# Altium PCB AMT5000-24.PcbDoc (continued)
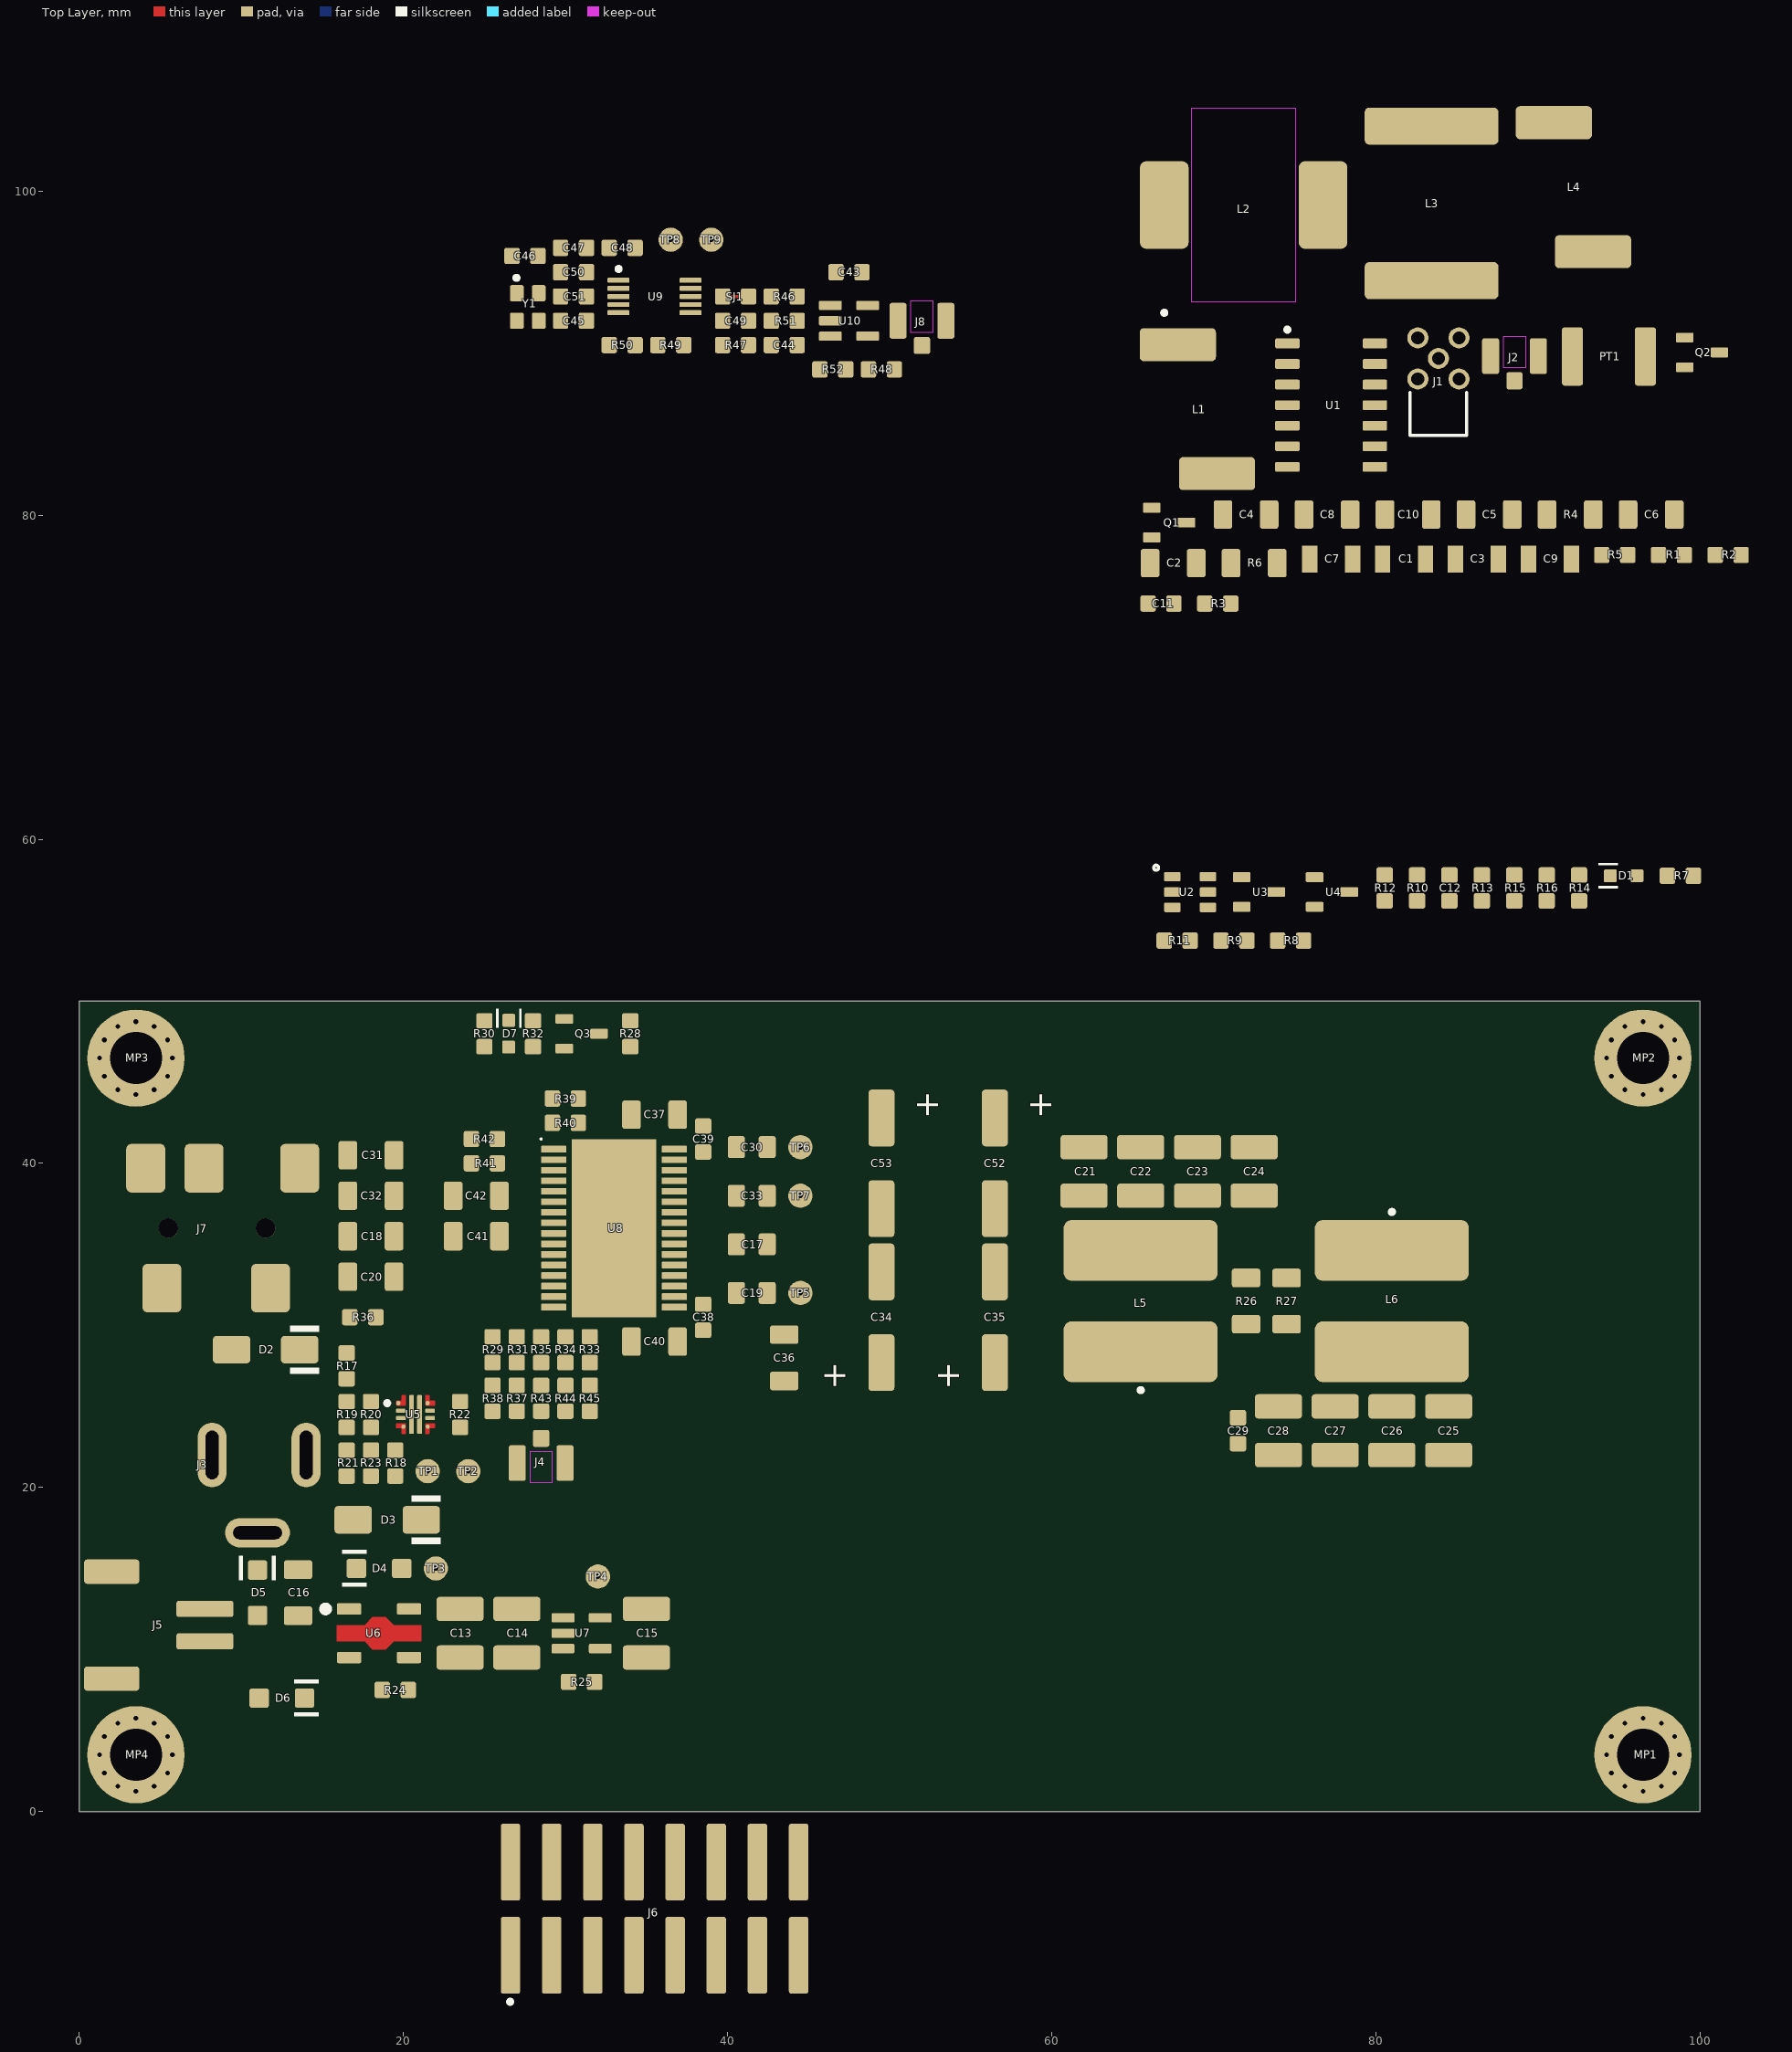
[diagram p0: Top Layer view]
## Part data (continued)
D1 D7: library part CMP-002-001080-9, "WL-SMCW Mono-color Chip LED Waterclear, size 0603, Red, 2V, 60°", Case/Size Code=0603, Emitting Color=Red, Forward Voltage=2V, JLCPCB Part #=C5875741, Manufacturer="Wurth Elektronik", Operating Temperature Max=85°C, Operating Temperature Min=-40°C, Category="Signal LEDs", Chip Technology=AlInGaP, Component Type=Standard, ComponentLink1Description="Website Link", ComponentLink1URL=https://www.we-online.com/redexpert/article/150060RS86000?ad, ComponentLink2Description="Datasheet Link", ComponentLink2URL=https://www.we-online.com/redexpert/spec/150060RS86000?ad, Design Item ID=150060RS86000, Dominant Wavelength=624nm, Height=0.95mm, Length=1.6mm, Luminous Intensity=800mcd, Manufacturer Part Number=150060RS86000, Match Code=WL-SMCW, Mount="Surface Mount", Packaging="Tape and Reel", Peak Wavelength=632nm, Pin Count=2, Source=WL-SMCW.SchLib, Viewing Angle=60°, Width=0.8mm
D2 D3: library part CMP-104-000003-3, "SMAJ Series 19.9 V 0.4 kW Surface Mount Uni-Directional TVS Diode - DO-214AC", (Reverse) Breakdown Voltage=14V, (Reverse) Peak Pulse Current=20.1A, Case/Size Code=DO-214AC, Clamping Voltage=19.9V, JLCPCB Part #=C726741, Manufacturer="Wurth Elektronik", Manufacturer Part Number=824500121, Operating Temperature Max=150°C, Operating Temperature Min=-65°C, Operating Voltage (DC)=12V, Power Dissipation=400W, Category="Surge Protection", Component Type=Standard, ComponentLink1Description="Website Link", ComponentLink1URL=https://www.we-online.com/redexpert/article/824500121?ad, ComponentLink2Description="Datasheet Link", ComponentLink2URL=https://www.we-online.com/redexpert/spec/824500121?ad, Design Item ID=824500121, Height=2.087mm, Length=4.5mm, Match Code=WE-TVSP, Mount="Surface Mount", Packaging="Tape and Reel", Pin Count=2, Polarity=Unidirectional, Source=WE-TVSP.SchLib, Width=2.79mm
D4 D5 D6: library part CMP-004-00046-7, "Diode Schottky 100V 2A 2-Pin SOD-123F T/R", Average Rectified Current=2A, Case/Package=SOD-123F, Forward Voltage="830 mV @ 2 A", JLCPCB Part #=C456130, Max Reverse Voltage (DC)=100V, Forward Current=2A, Mounting Technology="Surface Mount", Packaging="Tape and Reel", Page Part #=?, RoHS Compliant=Yes, Series=-
J1: library part CMP-002-000609-5, "WR-MMCX PCB Jack, THT, Right Angle, 6GHz, 50O", Frequency Range=6GHz, JLCPCB Part #=C2894793, Manufacturer="Wurth Elektronik", Operating Temperature Max=155°C, Operating Temperature Min=-55°C, Category="Coaxial Connectors", Center Contact Diameter=0.7mm, Component Type=Standard, ComponentLink1Description="Website Link", ComponentLink1URL=https://www.we-online.com/redexpert/article/66011002111501?ad, ComponentLink2Description="Datasheet Link", ComponentLink2URL=https://www.we-online.com/redexpert/spec/66011002111501?ad, Connector Type=MMCX, Design Item ID=66011002111501, Gender=Jack, Height=3.8mm, Impedance=50O, Interface Type="IEC 61169-52", Length=6.5mm, Manufacturer Part Number=66011002111501, Match Code=WR-MMCX, Mount="Through Hole", Orientation="Right Angle", Packaging=Tray, Pin Count=5, Source=WR-MMCX.SchLib, Width=3.5mm
J2 J4 J8: library part CMP-002-00035-11, "Ultra Small Surface Mount Coaxial Connector, 50 Ohm, -40 to 90 degC, 3-Pin SMD, RoHS, Tape and Reel", Case/Package=U.FL-R-SMT, JLCPCB Part #=C88373, Manufacturer="Hirose Electric", Max Operating Temperature=90°C, Min Operating Temperature=-40°C, Package Description="3-Pin Surface Mount Device, Body 2.6 x 2.6 mm", Package Quantity=2500, Resistance=50Ohm, Connector Type=RF&Coax, Contact Material=Brass, Contact Plating=Gold, Datasheet URL=https://www.hirose.com/product/en/download_file/key_name/U.FL/category/Catalog/doc_file_id/31697/?file_category_id=4&item_id=15&is_series=1, Datasheet Version=Aug-16, Fastening Type=Snap, Impedance=50Ohm, Manufacturer URL=https://www.hirose.com, Mounting Technology=SM, Package Reference=U.FL-R-SMT, Packaging=TapeandReel, RoHS Compliant=True
J3: library part CMP-002-000051-4, "WR-DC DC Power Jack Connector, Male, Right Angled, 24V, 5A", JLCPCB Part #=C5184829, Manufacturer="Wurth Elektronik", Operating Temperature="-40 to +85degC", Rated Current=5A, Working Voltage=24V, ComponentLink1Description=Manufacturer, ComponentLink1URL=http://www.we-online.de, ComponentLink2Description=Datasheet, ComponentLink2URL=https://www.we-online.com/catalog/datasheet/694106301002.pdf, Design Item ID=694106301002, Gender=Male, Manufacturer Part Number=694106301002, Mounting Technology=THT, Opening Diameter=6.4mm, Orientation="Right Angled", Packaging=Bag, Plug Inner Diameter=2.05mm, Plug Outer Diameter=5.5mm, Published Date="March 2021", Source=WR-DC.SchLib
J5: library part CMP-047-000040-14, "WR-WTB SMT Male Horizontal Shrouded Header, pitch 2mm, 2p", Contact Resistance=20mOhm, JLCPCB Part #=C295747, Operating Temperature="-25 to +85degC", Rated Current=2A, Withstanding Voltage=800VAC, Working Voltage=100VAC, Component Type=Standard, ComponentLink1Description=Manufacturer, ComponentLink1URL=http://www.we-online.de, ComponentLink2Description=Datasheet, ComponentLink2URL=https://www.we-online.com/catalog/datasheet/620102131822.pdf, Design Item ID=620102131822, Gender=Male, Mounting Technology=SMT, Packaging="Tape and Reel", Page Part #=K620102131822, Part Number=620102131822, Pin Count=2, Pin Number=2, Pitch=2mm, Published Date="January 2020", Publisher="Wurth Elektronik", Source=WR-WTB_2.00mm.SchLib, Type=Horizontal
J6: library part CMP-173-000108-2, "WR-BHD Male Box Header, SMT Straight, pitch 2.54mm, 2 row, 16 pin", Contact Resistance=20mOhm, Insulation Resistance=1000MOhm, JLCPCB Part #=C22387748, Manufacturer="Wurth Elektronik", Operating Temperature Max=125°C, Operating Temperature Min=-40°C, Rated Current=3A, Withstanding Voltage=500V, Working Voltage=250V, Category="Wire-to-Board Connectors", Component Type=Standard, ComponentLink1Description="Website Link", ComponentLink1URL=https://www.we-online.com/redexpert/article/61231620621?ad, ComponentLink2Description="Datasheet Link", ComponentLink2URL=https://www.we-online.com/redexpert/spec/61231620621?ad, Design Item ID=61231620621, Gender=Male, Height=9.1mm, Length=28.12mm, Manufacturer Part Number=61231620621, Match Code=WR-BHD, Mount="Surface Mount", Number of Pins=16, Number of Rows=2, Orientation=Straight, Packaging="Tape and Reel with Cap", Pin Count=16, Pitch=2.54mm, Source=WR-BHD.SchLib, Width=9.1mm
J7: library part CMP-002-00128-4, "3.5 mm, Stereo, Right Angle, Surface Mount (SMT), Audio Jack Connector", Color=Black, JLCPCB Part #=C381135, Connector Type=Jack, Number of Conductors=3, Number of Ports=1, Orientation=Horizontal, Shielding=Unshielded
L1 L4: library part CMP-165-000056-2, "WE-CAIR SMT Air Coil, size 5910, 380nH, 2.5A, 50mO", Case/Size Code=5910, DC Resistance Max=50mO, Inductance=380nH, Inductance Tolerance=5%, JLCPCB Part #=-, Manufacturer="Wurth Elektronik", Operating Temperature Max=125°C, Operating Temperature Min=-40°C, Rated Current=2.5A, Self Resonant Frequency=0.59GHz, Category="RF Inductors", Component Type=Standard, ComponentLink1Description="Website Link", ComponentLink1URL=https://www.we-online.com/redexpert/article/744918238?ad, ComponentLink2Description="Datasheet Link", ComponentLink2URL=https://www.we-online.com/redexpert/spec/744918238?ad, Design Item ID=744918238, Height=5.9mm, Length=10.55mm, Manufacturer Part Number=744918238, Match Code=WE-CAIR, Mount="Surface Mount", Packaging="Tape and Reel", Pin Count=2, Q Factor=100, Source=WE-CAIR.SchLib, Width=6.35mm
L2: library part CMP-163-000034-2, "WE-PDA SMT Shielded Power Inductor, size 1260, 4.7uH, 6.2A, 17.5mOhm", Case/Size Code=1260, DC Resistance=14.5mOhm, DC Resistance Max=17.5mOhm, Inductance=4.7uH, Manufacturer="Wurth Elektronik", Operating Temperature Max=125°C, Operating Temperature Min=-40°C, Rated Current=6.2A, Saturation Current=8A, Self Resonant Frequency=49.8MHz, Automotive=Yes, Category="Power Inductors", Component Type=Standard, ComponentLink1Description="Website Link", ComponentLink1URL=https://www.we-online.com/redexpert/article/784771047?ad, ComponentLink2Description="Datasheet Link", ComponentLink2URL=https://www.we-online.com/redexpert/spec/784771047?ad, Design Item ID=784771047, Height=6mm, Length=12mm, Manufacturer Part Number=784771047, Match Code=WE-PDA, Mount="Surface Mount", Packaging="Tape and Reel", Pin Count=2, Source=WE-PDA.SchLib, Width=12mm
L3: library part CMP-006-00042-1, "RF inductor, air core, 2% tol, SMT, RoHS, halogen-free", Case/Package=SMD/SMT, Current Rating=4.7A, Inductance Tolerance=5%, JLCPCB Part #=C20623511, Max Operating Temperature=125°C, Min Operating Temperature=-40°C, Self Resonant Frequency=660MHz, Test Frequency=50MHz, Tolerance=2%, Core Material=Air, Height=7.24mm, Lead Free=Yes, Length=14.1mm, Max DC Current=4.7A, Packaging="Tape and Reel", Q Factor=180, Reach SVHC Compliant=No, RMS Current (Irms)=4.7A, RoHS Compliant=Yes, Series=2929SQ, Termination=SMD/SMT, Width=7.24mm
L5 L6: library part CMP-167-000094-2, "WE-PD2 SMT Power Inductor, size 1054, 39µH, 1.62A, 0.14O", Case/Size Code=1054, DC Resistance=0.098O, DC Resistance Max=0.14O, Inductance=39µH, JLCPCB Part #=-, Manufacturer="Wurth Elektronik", Operating Temperature Max=125°C, Operating Temperature Min=-40°C, Rated Current=1.62A, Saturation Current=1.8A, Self Resonant Frequency=12MHz, Category="Unshielded Power Inductors", Component Type=Standard, ComponentLink1Description="Website Link", ComponentLink1URL=https://www.we-online.com/redexpert/article/744776139?ad, ComponentLink2Description="Datasheet Link", ComponentLink2URL=https://www.we-online.com/redexpert/spec/744776139?ad, Design Item ID=744776139, Height=5.4mm, Length=10mm, Manufacturer Part Number=744776139, Match Code=WE-PD2, Mount="Surface Mount", Packaging="Tape and Reel", Pin Count=2, Source=WE-PD2.SchLib, Width=9mm
MP1 MP2 MP3 MP4: library part CMP-00028-00004-14, "Mounting hole.  Add this so that mounting holes placed in your design don't automagically disappear when you import changes from the schematic.", Pins=1
PT1: library part CMP-142-000015-1, "Gas Discharge Tubes - GDTs / Gas Plasma Arrestors 75VDC 2-POLE 600V @1KV/US", Case Code (Imperial)=1812, Case Code (Metric)=4532, JLCPCB Part #=C9234, Tolerance=20%, Case/Package=1812, Fail Short=No, Lead Free="Lead Free", Mounting Technology="Surface Mount", Number of Poles=2, Packaging="Cut Tape", RoHS Compliant=Yes, Series=GT
Q1 Q2: library part CMP-142-000014-3, "60V Single N-Channel HEXFET Power MOSFET in a Micro 3 package, SOT23-3, RoHS", Case/Package=SOT-23, Continuous Drain Current (ID)=1.2A, Drain to Source Voltage (Vdss)=60V, Drain-source On Resistance-Max=480MR, Gate to Source Voltage (Vgs)=16V, Input Capacitance=64pF, JLCPCB Part #=C67275, Max Operating Temperature=150°C, Max Power Dissipation=1.25W, Min Operating Temperature=-55°C, Threshold Voltage=2.5V, Height=1.02mm, Lead Free="Lead Free", Length=3.04mm, Mounting Technology="Surface Mount", Pins=3, Reach SVHC Compliant=No, Recovery Time=21ns, RoHS Compliant=Yes, Turn-Off Delay Time=3.7ns, Turn-On Delay Time=4.9ns, Width=1.4mm
Q3: library part CMP-013-00048-14, "NPN Ic=100mA Vceo=65V hfe=200~450 P=225mW SOT-23", Case/Package=SOT-23-3, JLCPCB Part #=C82477, Ic Max=100mA, Transistor Type=NPN, Vce Max=65V
R1 R2 R3 R5 R29 R38 R41 R42 R47 R48 R52: library part CMP-009-00006-26, "Chip Jumper, Thick Film, Jumper, 0603, 100mW, 1A, 0 Ohm, <50 mOhm", Case/Package=0603, Current Rating=1A, JLCPCB Part #=C21189, Max Operating Temperature=155°C, Min Operating Temperature=-55°C, Power Rating=100mW, Resistor Type="Thick Film", Tolerance="50 mOhm", Voltage Rating=75V, Elements=1, FLIR Part #=YRES0E-1, Mounting Technology=SMT, Page Part #=ROQJ0000, Pins=2, RoHS Compliant=True, Usage=Jumper
R4: library part CMP-009-00382-2, "Res Thick Film 1206 1M Ohm 1% 0.25W(1/4W) ±100ppm/C SMD T/R", Case Code (Imperial)=1206, Case Code (Metric)=3216, JLCPCB Part #=C17927, Max Operating Temperature=125°C, Max Power Dissipation=250mW, Min Operating Temperature=-55°C, Number of Resistors=1, Operating Supply Voltage=200V, Package Quantity=5000, Resistor Type="Thick Film", Temperature Coefficient=100ppm/°C, Tolerance=1%, Case/Package=1206, Depth=1.55mm, ELV=Compliant, Height=0.55mm, Length=3.1mm, Military Standard=Not, Mounting Technology="Surface Mount", Number of Terminations=2, Packaging="Tape and Reel", Pins=1206, Power Rating=250mW, RoHS Compliant=Yes, Series="CRG, Neohm", Technology="THICK FILM", Termination=Solder, Voltage Rating=200V, Weight=0.000571oz, Width=1.55mm
R6: library part CMP-009-00286-9, "Res Thick Film 1206 0.1 Ohm 1% 1/2W ±100ppm/°C Molded SMD SMD Paper T/R", Case Code (Imperial)=1206, Case Code (Metric)=3216, JLCPCB Part #=C346763, Max Operating Temperature=155°C, Max Power Dissipation=500mW, Min Operating Temperature=-55°C, Resistor Type="Thick Film", Temperature Coefficient=100ppm/°C, Tolerance=1%, Case/Package=1206, Construction=Rectangular, Contact Plating=Tin,Matte, Depth=1.55mm, FLIR Part #=YRES0E1-3, Height=0.026inch, Lead Free="Lead Free", Length=0.12inch, Military Standard=Not, Mounting Technology="Surface Mount", Number of Terminations=2, Packaging="Tape and Reel", Power Rating=500mW, Radiation Hardening=No, RoHS Compliant=Yes, Series=CSR, Usage="General Purpose", Width=0.061inch
R7 R8 R10 R11 R24 R25 R30 R32 R33 R34 R35 R43 R44 R45 R46 R51: library part CMP-009-00017-28, "Chip Resistor, Thick Film, General Purpose, 0603, 100mW, 50V, 10 kOhm, +/-1%", Case/Package=0603, JLCPCB Part #=C25804, Max Operating Temperature=155°C, Min Operating Temperature=-55°C, Power Rating=100mW, Resistor Type="Thick Film", Tolerance=1%, Voltage Rating=50V, Elements=1, FLIR Part #=YRES10K-1, Mounting Technology=SMT, Page Part #=ROQF1002, Pins=2, RoHS Compliant=Yes, Usage="General Purpose"
R9 R14 R21: library part CMP-009-00207-23, "Chip Resistor, Thick Film, General Purpose, 0603, 100mW, 50V, 68 kOhm, +/-1%", Case/Package=0603, JLCPCB Part #=C114633, Max Operating Temperature=155°C, Min Operating Temperature=-55°C, Power Rating=100mW, Resistor Type="Thick Film", Tolerance=1%, Voltage Rating=50V, Elements=1, Mounting Technology=SMT, Page Part #=ROQF6802, Pins=2, RoHS Compliant=Yes, Usage="General Purpose"
R12: library part CMP-009-00234-17, "Chip Resistor, Thick Film, General Purpose, 0603, 100mW, 50V, 1 MOhm, +/-1%", Case/Package=0603, JLCPCB Part #=C22935, Max Operating Temperature=155°C, Min Operating Temperature=-55°C, Power Rating=100mW, Resistor Type="Thick Film", Tolerance=1%, Voltage Rating=50V, Elements=1, Mounting Technology=SMT, Pins=2, RoHS Compliant=Yes, Usage="General Purpose"
R13: library part CMP-009-00284-14, "Chip Resistor, Thick Film, General Purpose, 0603, 100mW, 50V, 15 kOhm, +/-1%", Case/Package=0603, JLCPCB Part #=C22809, Max Operating Temperature=155°C, Min Operating Temperature=-55°C, Power Rating=100mW, Resistor Type="Thick Film", Temperature Coefficient=100ppm/°C, Tolerance=1%, Voltage Rating=50V, Elements=1, Features="Moisture Resistant", Lead Free="Lead Free", Mounting Technology=SMT, Page Part #=ROQF1502, Pins=2, RoHS Compliant=Yes, Usage="General Purpose"
R15: library part CMP-009-00316-10, "Chip Resistor, Thick Film, General Purpose, 0603, 100mW, 50V, 330 kOhm, +/-1%", Case/Package=0603, JLCPCB Part #=C23137, Max Operating Temperature=155°C, Min Operating Temperature=-55°C, Power Rating=100mW, Resistor Type="Thick Film", Temperature Coefficient=100ppm/°C, Tolerance=1%, Voltage Rating=50V, Elements=1, Mounting Technology=SMT, Pins=2, Usage="General Purpose"
R16: library part CMP-010-00032-14, "Thermistor NTC 10K Ohm 5% 2-Pin 0603 Surface Mount Solder Pad 3450K T/R", Beta Value=3428k, Case/Package=0603, JLCPCB Part #=C13564, Max Operating Temperature (MaOT)=125, Min Operating Temperature (MiOT)=-40, Tolerance=1%, Page Part #=RNTC10KNCP
R17: library part CMP-009-00383-2, "Res Thick Film 0603 560K Ohm 1% 0.1W ±100ppm/°C Molded SMD Punched Carrier T/R", Case Code (Imperial)=0603, Case Code (Metric)=1608, JLCPCB Part #=C25822, Max Operating Temperature=155°C, Max Power Dissipation=100mW, Min Operating Temperature=-55°C, Package Quantity=1, Resistance Tolerance=1%, Resistor Type="Thick Film", Temperature Coefficient=100ppm/°C, Voltage Rating=75V, Case/Package=0603, Construction=Rectangular, Contact Plating=Tin, Depth=0.8mm, Features="Automotive AEC-Q200", Height=0.022inch, Length=1.6mm, Military Standard=Not, Mounting Technology="Surface Mount", Number of Terminations=2, Packaging="Tape and Reel", Pins=2, Power Rating=100mW, Radiation Hardening=No, Reach SVHC Compliant=No, RoHS Compliant=Yes, Series=ERJ, Termination=SMD/SMT, Tolerance=1%, Voltage Rating (DC)=75V, Width=0.8mm
R18 R28 R39 R40: library part CMP-009-00237-19, "Chip Resistor, Thick Film, General Purpose, 0603, 100mW, 50V, 150 kOhm, +/-1%", Case/Package=0603, JLCPCB Part #=C22807, Max Operating Temperature=155°C, Min Operating Temperature=-55°C, Power Rating=100mW, Resistor Type="Thick Film", Tolerance=1%, Voltage Rating=50V, Elements=1, FLIR Part #=YRES150K-1, Mounting Technology=SMT, Pins=2, RoHS Compliant=Yes, Usage="General Purpose"
R19: library part CMP-009-00384-1, "SMD Chip Resistor, 270 kOhm, ï¿½ 1%, 100 mW, 0603 [1608 Metric], Thick Film, General Purpose", Case Code (Imperial)=0603, Case Code (Metric)=1608, JLCPCB Part #=C22965, Max Operating Temperature=155°C, Max Power Dissipation=100mW, Min Operating Temperature=-55°C, Resistance Tolerance=1%, Resistor Type="Thick Film", Temperature Coefficient=100ppm/°C, Voltage Rating=50V, Case/Package=0603, Construction=Rectangular, Depth=0.8mm, Features="Moisture Resistant", Height=0.45mm, Lead Free="Lead Free", Length=1.6mm, Military Standard=Not, Number of Terminations=2, Packaging="Tape and Reel", Pins=2, Power Rating=100mW, Reach SVHC Compliant=Unknown, RoHS Compliant=Yes, Series=RC, Termination=SMD/SMT, Tolerance=1%, Voltage Rating (AC)=50V, Voltage Rating (DC)=50V, Width=0.8mm
R20: library part CMP-009-00344-7, "Res Thick Film 0603 220K Ohm 1% 0.1W(1/10W) ±100ppm/C Pad SMD T/R", Case/Package=0603, JLCPCB Part #=C22961, Max Operating Temperature=155°C, Min Operating Temperature=-55°C, Power Rating=100mW, Resistor Type="Thick Film", Temperature Coefficient=100ppm/°C, Tolerance=1%, Voltage Rating=75V, Elements=1, FLIR Part #=YRES220K-1, Lead Free="Lead Free", Mounting Technology=SMT, Pins=2, RoHS Compliant=Yes, Usage="General Purpose"
R22: library part CMP-009-00287-10, "Res Thick Film 0603 5.6K Ohm 1% 0.1W(1/10W) ±100ppm/C Pad SMD T/R", Case/Package=0603, JLCPCB Part #=C23189, Max Operating Temperature=155°C, Min Operating Temperature=-55°C, Power Rating=100mW, Resistor Type="Thick Film", Temperature Coefficient=100ppm/°C, Tolerance=1%, Voltage Rating=75V, Elements=1, Features="Moisture Resistant", Lead Free="Lead Free", Mounting Technology=SMT, Pins=2, RoHS Compliant=Yes, Usage="General Purpose"
R23 R37: library part CMP-009-00195-22, "Chip Resistor, Thick Film, General Purpose, 0603, 100mW, 50V, 47 kOhm, +/-1%", Case/Package=0603, JLCPCB Part #=C25819, Max Operating Temperature=155°C, Min Operating Temperature=-55°C, Power Rating=100mW, Resistor Type="Thick Film", Temperature Coefficient=100ppm/°C, Tolerance=1%, Voltage Rating=50V, Elements=1, FLIR Part #=YRES47K-1, Mounting Technology=SMT, Page Part #=ROQF4702, Pins=2, REACH SVHC="No SVHC", Usage="General Purpose"
R26 R27: library part CMP-009-00002-23, "Chip Jumper, Thick Film, Jumper, 1206, 250mW, 2A, 0 Ohm, <50 mOhm", Case/Package=1206, Current Rating=2A, JLCPCB Part #=C17888, Max Operating Temperature=155°C, Min Operating Temperature=-55°C, Power Rating=250mW, Resistor Type="Thick Film", Tolerance="50 mOhm", Voltage Rating=200V, Elements=1, Mounting Technology=SMT, Pins=2, RoHS Compliant=True, Usage=Jumper
R31: library part CMP-009-00319-10, "Chip Resistor, Thick Film, General Purpose, 0603, 100mW, 50V, 75 kOhm, +/-1%", Case/Package=0603, JLCPCB Part #=C23242, Max Operating Temperature=155°C, Min Operating Temperature=-55°C, Power Rating=100mW, Resistor Type="Thick Film", Tolerance=1%, Voltage Rating=50V, Elements=1, Mounting Technology=SMT, Pins=2, RoHS Compliant=Yes, Usage="General Purpose"
R36: library part CMP-009-00230-18, "Chip Resistor, Thick Film, General Purpose, 0603, 100mW, 50V, 10 Ohm, +/-1%", Case/Package=0603, JLCPCB Part #=C22859, Max Operating Temperature=155°C, Min Operating Temperature=-55°C, Power Rating=100mW, Resistor Type="Thick Film", Temperature Coefficient=200ppm/°C, Tolerance=1%, Voltage Rating=50V, Elements=1, Mounting Technology=SMT, Pins=2, RoHS Compliant=Yes, Usage="General Purpose"
R49 R50: library part CMP-009-00243-18, "Chip Resistor, Thick Film, General Purpose, 0603, 100mW, 50V, 3.3 kOhm, +/-1%", Case/Package=0603, JLCPCB Part #=C22978, Max Operating Temperature=155°C, Min Operating Temperature=-55°C, Power Rating=100mW, Resistor Type="Thick Film", Tolerance=1%, Voltage Rating=50V, Elements=1, Mounting Technology=SMT, Page Part #=ROQF3301, Pins=2, RoHS Compliant=Yes, Usage="General Purpose"
SJ1: library part CMP-009-00345-4, "Solder Jumper, Thick Film, Jumper, 0603, 100mW, 1A, 0 Ohm, <50 mOhm", Case/Package=0603, JLCPCB Part #=C876125, Max Operating Temperature=155°C, Min Operating Temperature=-55°C, Power Rating=100mW, Resistor Type="Thick Film", Temperature Coefficient=200ppm/°C, Tolerance="50 mOhm", Voltage Rating=50V, Elements=1, Lead Free="Lead Free", Mounting Technology=SMT, Pins=2, RoHS Compliant=Yes, Usage=Jumper
TP1 TP2 TP3 TP4 TP5 TP6 TP7 TP8 TP9: library part CMP-027-000000-16, "Testpad land", Component Type=Standard, Design Item ID=Testpad, Pin Count=1
U1: library part CMP-016-00026-2, "And Gate 4-ELEMENT 2-IN Cmos Automotive 14-PIN SOIC N T/r / IC Gate And 4CH 2-INP 14-SOIC", JLCPCB Part #=C233452, Logic Function="AND GATE"
U2: library part CMP-019-00093-4, "Supervisor Open Drain or Open Collector 1 Channel SOT-23-6", JLCPCB Part #=C19653
U3 U4: library part CMP-019-00107-2, "Fixed & adjustable, 45-µA, precision micropower shunt voltage reference 3-SOT-23 -40 to 85", Case/Package=SOT-23, Cathode Current=70uA, JLCPCB Part #=C2156756, Max Operating Temperature=125°C, Max Output current=12mA, Max Output Voltage=10V, Min Operating Temperature=-40°C, Package Quantity=3000, Temperature Coefficient=150ppm/°C, Tolerance=1%, Lead Free="Lead Free", Mounting Technology="Surface Mount", Number of Channels=1, Output Current=12mA, Output Voltage=10V, Packaging="Tape and Reel", Pins=3, Radiation Hardening=No, Reference Type=Shunt,Adjustable, RoHS Compliant=Yes, Series=LM4041-N
U5: library part CMP-019-00108-1, "2.7V~23V 5.5A VQFN-10-HR(2x2) Power Distribution Switches ROHS", JLCPCB Part #=C3210761, RoHS Compliant=Yes
U6: library part CMP-019-00086-12, "Fixed LDO 5V, 2%, 500mA, Iq 130uA, -40°C to 105*C", Case/Package=SOT-89-5, Dropout Voltage=225mV, JLCPCB Part #=C3751570, Max Input Voltage=24V, Max Operating Temperature=105*C, Min Input Voltage=4V, Min Operating Temperature=-40°C, Output Current=500mA, Output Voltage=5V, Quiescent Current=130uA, Accuracy=2%, Mount=SMT, Number of Outputs=1, Number of Regulators=1, Output Type=Fixed
U7: library part CMP-019-00081-10, "Fixed LDO 3.3V, 1%, 1A, Iq 108uA, -40°C to 85°C", Case/Package=SOT-23-5, JLCPCB Part #=C86534, Max Input Voltage=6V, Max Operating Temperature=85°C, Min Input Voltage=4V, Min Operating Temperature=-40°C, Output Current=1A, Output Voltage=3.3V, Quiescent Current=108uA, Accuracy=1%, Mount=SMT, Number of Outputs=1, Number of Regulators=1, Output Type=Fixed
U8: library part CMP-014-00029-7, "Audio Amp Speaker 1-CH Mono/2-CH Stereo 60W Class-D 32-Pin HTSSOP EP Tube", Case/Package=HTSSOP, JLCPCB Part #=C473362, Max Operating Temperature=85°C, Max Output Power=30W, Min Operating Temperature=-40°C, Mounting Technology="Surface Mount", Packaging=Rail/Tube, RoHS Compliant=Yes, Series=-
U9: library part CMP-023-00007-2, "IC CLK GENERATOR 160MHZ 10MSOP", Case/Package=MSOP, Clock Frequency=200MHz, JLCPCB Part #=C504891, Max Operating Temperature=85°C, Min Operating Temperature=-40°C, Operating Supply Current=22mA, Operating Supply Voltage=3.3V, Package Quantity=2500, Input=Crystal, Max Duty Cycle=55%, Mounting Technology="Surface Mount", Number of Circuits=2, Number of Outputs=3, Packaging="Tape and Reel", Pins=10, PLL=Yes, RoHS Compliant=Yes, Series=MultiSynth™
U10: library part CMP-016-00025-4, "Single 1.65-V to 5.5-V inverter with Schmitt-Trigger inputs 5-SOT-23 -40 to 125", Case/Package=SOT-23, High Level Output Current=-32mA, JLCPCB Part #=C7835, Low Level Output Current=32mA, Max Operating Temperature=125°C, Max Supply Voltage=5.5V, Min Operating Temperature=-40°C, Min Supply Voltage=1.65V, Package Quantity=1, Quiescent Current=10uA, Input Type="SCHMITT TRIGGER", Lead Free="Lead Free", Logic Function="Buffer,Inverter,Schmitt Trigger", Max Output current=32mA, Mounting Technology="Surface Mount", Number of Bits=1, Number of Circuits=1, Number of Elements=1, Number of Gates=1, Number of Inputs=1, Output Current=32mA, Packaging="Tape and Reel", Pins=5, Propagation Delay=5ns, Radiation Hardening=No, Reach SVHC Compliant=No, RoHS Compliant=Yes, Series=74LVC, Technology=CMOS, Termination=SMD/SMT, Turn-On Delay Time=11ns, Weight=0.000557oz
Y1: library part CMP-002-001569-1, "TCXO 25MHz, 3.3V", Frequency Tolerance=1ppm, JLCPCB Part #=C5180005

## Via types
v1: diameter 0.6, hole 0.3, Top Layer to Bottom Layer, 48 vias

## Nets (pads, with @x,y where several pads share a name; then routed paths per layer and width w, separated by ;. In a path a pad name is that pad's centre, name@x,y a point inside that pad or via, vN(x,y) a via of type N, cw(c..) or ccw(c..) an arc to the next point about the centre after c; other vN are vias at no path point)
+3.3V: C15.2 C43.2 C46.1 C48.1 R46.1 R49.2 R50.2 SJ1.1 TP4.1 U7.5 U9.1 U10.5 Y1.4
+5V: C11.2 C12.2 C13.2 C14.2 C40.2 D4.2 D6.1 R7.2 R8.2 R9.1 R10.2 R11.2 R25.1 R28.1 R30.2 R32.1 R33.1 R34.1 R35.1 TP3.1 U1.14 U2.6 U6.5 U7.1 U8.17
GND: C5.1 C6.1 C7.1 C8.1 C9.1 C10.1 C11.1 C12.1 C13.1 C14.1 C15.1 C16.1 C21.1 C22.1 C23.1 C24.1 C25.1 C26.1 C27.1 C28.1 C29.1 C34.2 C35.2 C36.2 C37.2 C38.1 C39.1 C40.1 C41.1 C42.1 C43.1 C46.2 C47.1 C48.2 C49.2 C50.1 C51.1 C52.2 C53.2 D2.2 D3.2 J1.2 J1.3 J1.4 J1.5 J2.1 J2.2 J3.2 J4.1 J4.2 J5.2 J5.MP1 J5.MP2 J6.3 J6.5 J6.7 J6.9 J6.11 J6.13 J6.15 J8.1 J8.2 MP1.1 MP2.1 MP3.1 MP4.1 PT1.2 R4.1 R6.2 R16.1 R21.1 R22.1 R23.1 R36.1 R37.1 R38.1 R39.1 R40.1 R41.1 R42.1 R43.2 R44.2 R45.2 R51.2 TP2.1 U1.7 U2.2 U3.3 U4.1 U4.3 U5.8 U6.2 U6.3 U7.2 U8.9 U8.22 U8.25 U8.28 U8.33 U9.8 U10.3 Y1.1 Y1.2
  other v1: 3.5,1.25 96.5,1.25 2.375,1.551 4.625,1.551 95.375,1.551 97.625,1.551 1.551,2.375 5.449,2.375 94.551,2.375 98.449,2.375 1.25,3.5 5.75,3.5 94.25,3.5 98.75,3.5 1.551,4.625 5.449,4.625 94.551,4.625 98.449,4.625 2.375,5.449 4.625,5.449 95.375,5.449 97.625,5.449 3.5,5.75 96.5,5.75 3.5,44.25 96.5,44.25 2.375,44.551 4.625,44.551 95.375,44.551 97.625,44.551 1.551,45.375 5.449,45.375 94.551,45.375 98.449,45.375 1.25,46.5 5.75,46.5 94.25,46.5 98.75,46.5 1.551,47.625 5.449,47.625 94.551,47.625 98.449,47.625 2.375,48.449 4.625,48.449 95.375,48.449 97.625,48.449 3.5,48.75 96.5,48.75
GVDD: C41.2 R29.1 R31.2 U8.7
NetC1_1: C1.1 C2.2 C7.2 C8.2 L1.1 L3.2 L4.1
NetC1_2: C1.2 C2.1 C9.2 C10.2 J1.1 L1.2 L4.2 PT1.1
NetC3_1: C3.1 C4.1 C5.2 C6.2 L2.1 Q1.3 Q2.3
NetC3_2: C3.2 C4.2 L3.1 R4.2
NetC16_2: C16.2 D4.1 D5.1 R24.1 U6.1
NetC17_1: C17.1 U8.24
NetC17_2: C17.2 L5.1 R26.1 U8.23
NetC18_1: C18.1 U8.10
NetC18_2: C18.2 J7.2
NetC19_1: C19.1 U8.20
NetC19_2: C19.2 TP5.1 U8.21
NetC20_1: C20.1 U8.11
NetC20_2: C20.2 C32.2 J7.1 J7.4 R36.2
NetC21_2: C21.2 C22.2 C23.2 C24.2 L5.2 L6.1 R26.2 R27.1
NetC25_2: C25.2 C26.2 C27.2 C28.2 C29.2 L2.2 L6.2 R27.2
NetC30_1: C30.1 U8.30
NetC30_2: C30.2 TP6.1 U8.29
NetC31_1: C31.1 R42.2 U8.4
NetC31_2: C31.2 J7.3
NetC32_1: C32.1 R41.2 U8.5
NetC33_1: C33.1 U8.26
NetC33_2: C33.2 TP7.1 U8.27
NetC42_2: C42.2 R29.2 R38.2 U8.6
NetC44_1: C44.1 R47.1
NetC44_2: C44.2 R46.2 R51.1 R52.1 U10.2
NetC45_1: C45.1 Y1.3
NetC45_2: C45.2 C47.2 C50.2 C51.2 U9.2
NetC49_1: C49.1 SJ1.2 U9.7
NetD1_1: D1.1 J6.14 R8.1 U1.2 U1.5 U1.10 U1.13 U2.1
NetD1_2: D1.2 R7.1
NetD2_1: D2.1 J3.1 R17.2 U5.5
NetD5_2: D5.2 J5.1
NetD6_2: D6.2 J6.1
NetD7_1: D7.1 J6.8 Q3.1 R32.2 U8.3
NetD7_2: D7.2 R30.1
NetJ2_1: J2.3 Q1.2 Q2.2 R6.1
NetJ4_1: J4.3 R22.2 U5.9
NetJ6_2: J6.2 R40.2 U8.1
NetJ6_4: J6.4 R39.2 U8.2
NetJ6_6: J6.6 Q3.2
NetJ6_10: J6.10 R49.1 U9.4
NetJ6_12: J6.12 R50.1 U9.5
NetJ8_1: J8.3 R48.1 U1.1 U1.4 U1.9 U1.12
NetQ1_1: Q1.1 Q2.1 R1.2 R2.2 R3.2 R5.2
NetQ3_3: Q3.3 R28.2 U8.12
NetR1_1: R1.1 U1.3
NetR2_1: R2.1 U1.6
NetR3_1: R3.1 U1.8
NetR5_1: R5.1 U1.11
NetR9_2: R9.2 U2.4
NetR10_1: R10.1 R12.2 U4.2
NetR11_1: R11.1 R13.2 R14.2 U3.2
NetR12_1: R12.1 R15.1 U2.5
NetR13_1: R13.1 R14.1 R15.2 R16.2 U3.1
NetR17_1: R17.1 R19.2 R20.2 U5.1
NetR18_2: R18.2 R23.2 U5.4
NetR19_1: R19.1 R20.1 R21.2 U5.2
NetR24_2: R24.2 U6.4
NetR25_2: R25.2 U7.3
NetR31_1: R31.1 R37.2 U8.8
NetR33_2: R33.2 R45.1 U8.15
NetR34_2: R34.2 R44.1 U8.14
NetR35_2: R35.2 R43.1 U8.13
NetR47_2: R47.2 U9.6
NetTP8_1: TP8.1 U9.10
NetTP9_1: TP9.1 U9.9
OSC: R48.2 R52.2 U10.4
VAA: C34.1 C35.1 C36.1 C37.1 C38.2 C39.2 C52.1 C53.1 D3.1 R18.1 TP1.1 U5.6 U8.18 U8.19 U8.31 U8.32
pads on no net: J3.3 J6.16 J7.5 J7.MP1 J7.MP2 U2.3 U5.3 U5.7 U5.10 U7.4 U8.16 U9.3 U10.1

## Silkscreen, mask and mechanical layers (free items; w line width, h text height)
Board outline:
  the board outline again, w0.1

## Text inside footprints (layer, text, board x,y; h text height)
C34: Top Overlay "+" at 46,27.75 h1.5 r270
C35: Top Overlay "+" at 53,27.75 h1.5 r270
C52: Top Overlay "+" at 60,42.75 h1.5 r90
C53: Top Overlay "+" at 53,42.75 h1.5 r90